# EAGLE board RedBoard-Panel (EAGLE 9.6.2), part 1 of 6
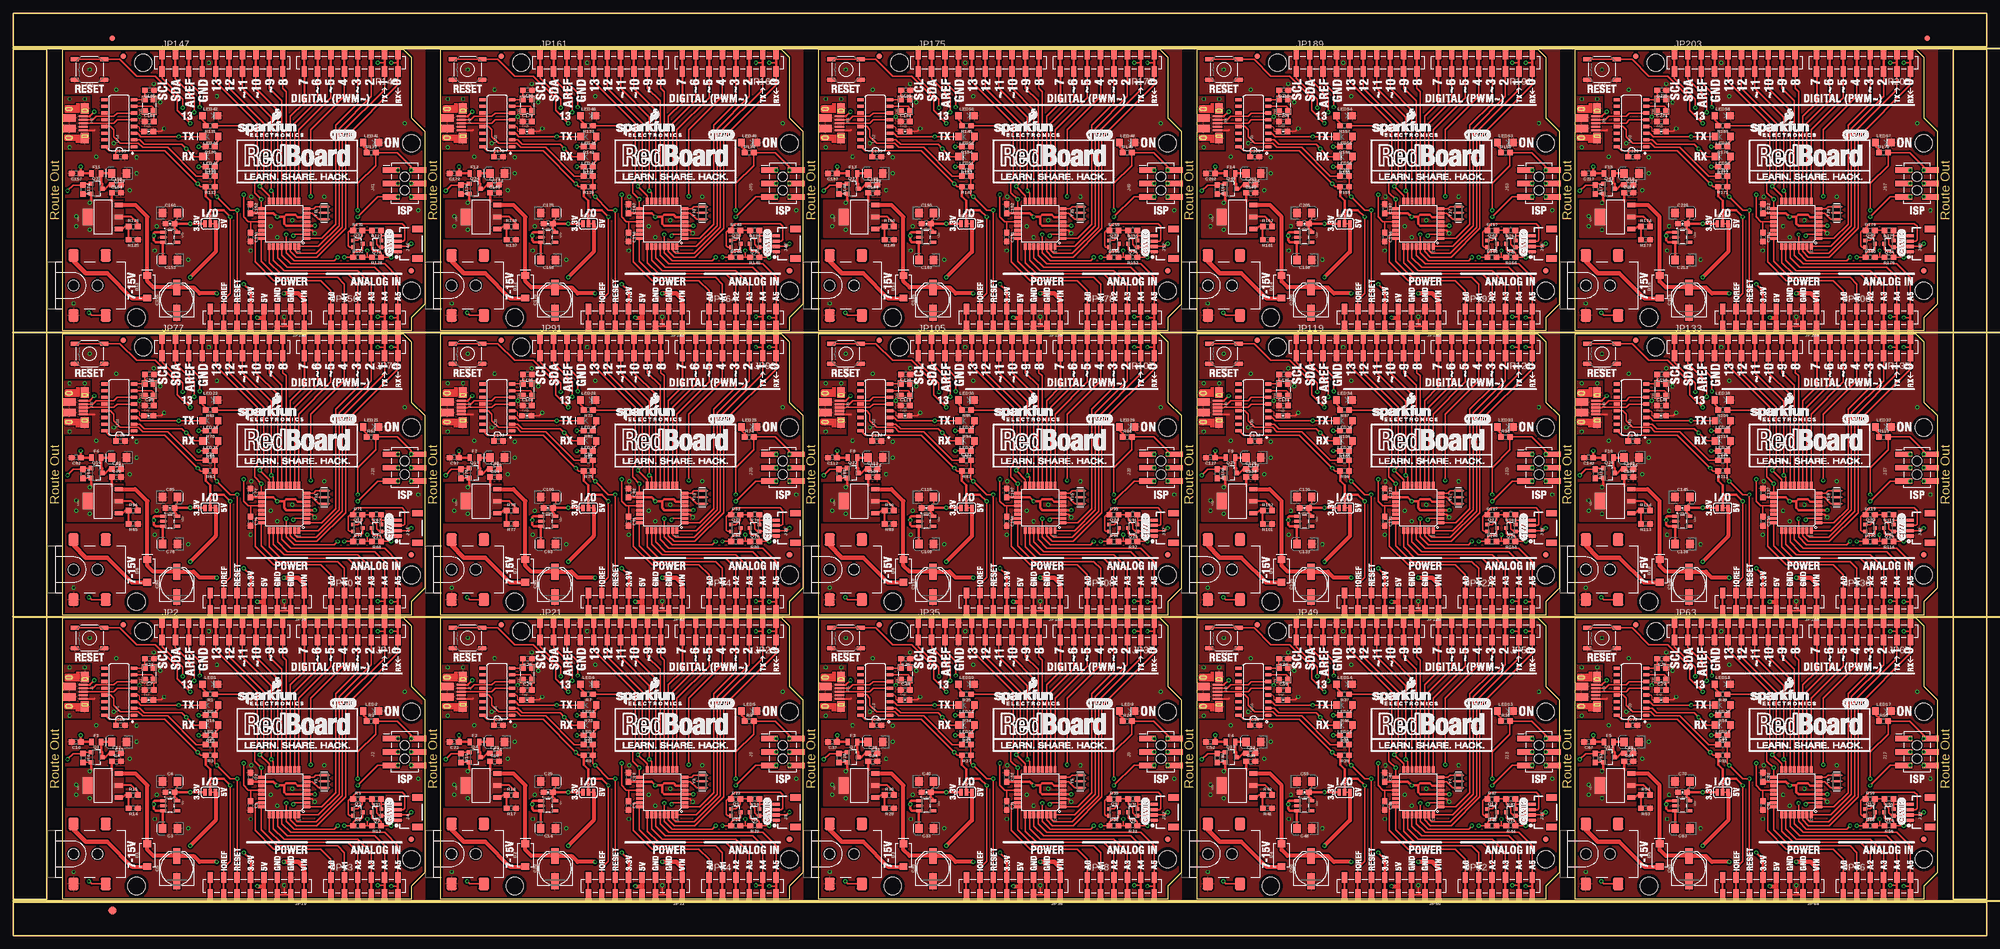
[diagram p0: board, top side]
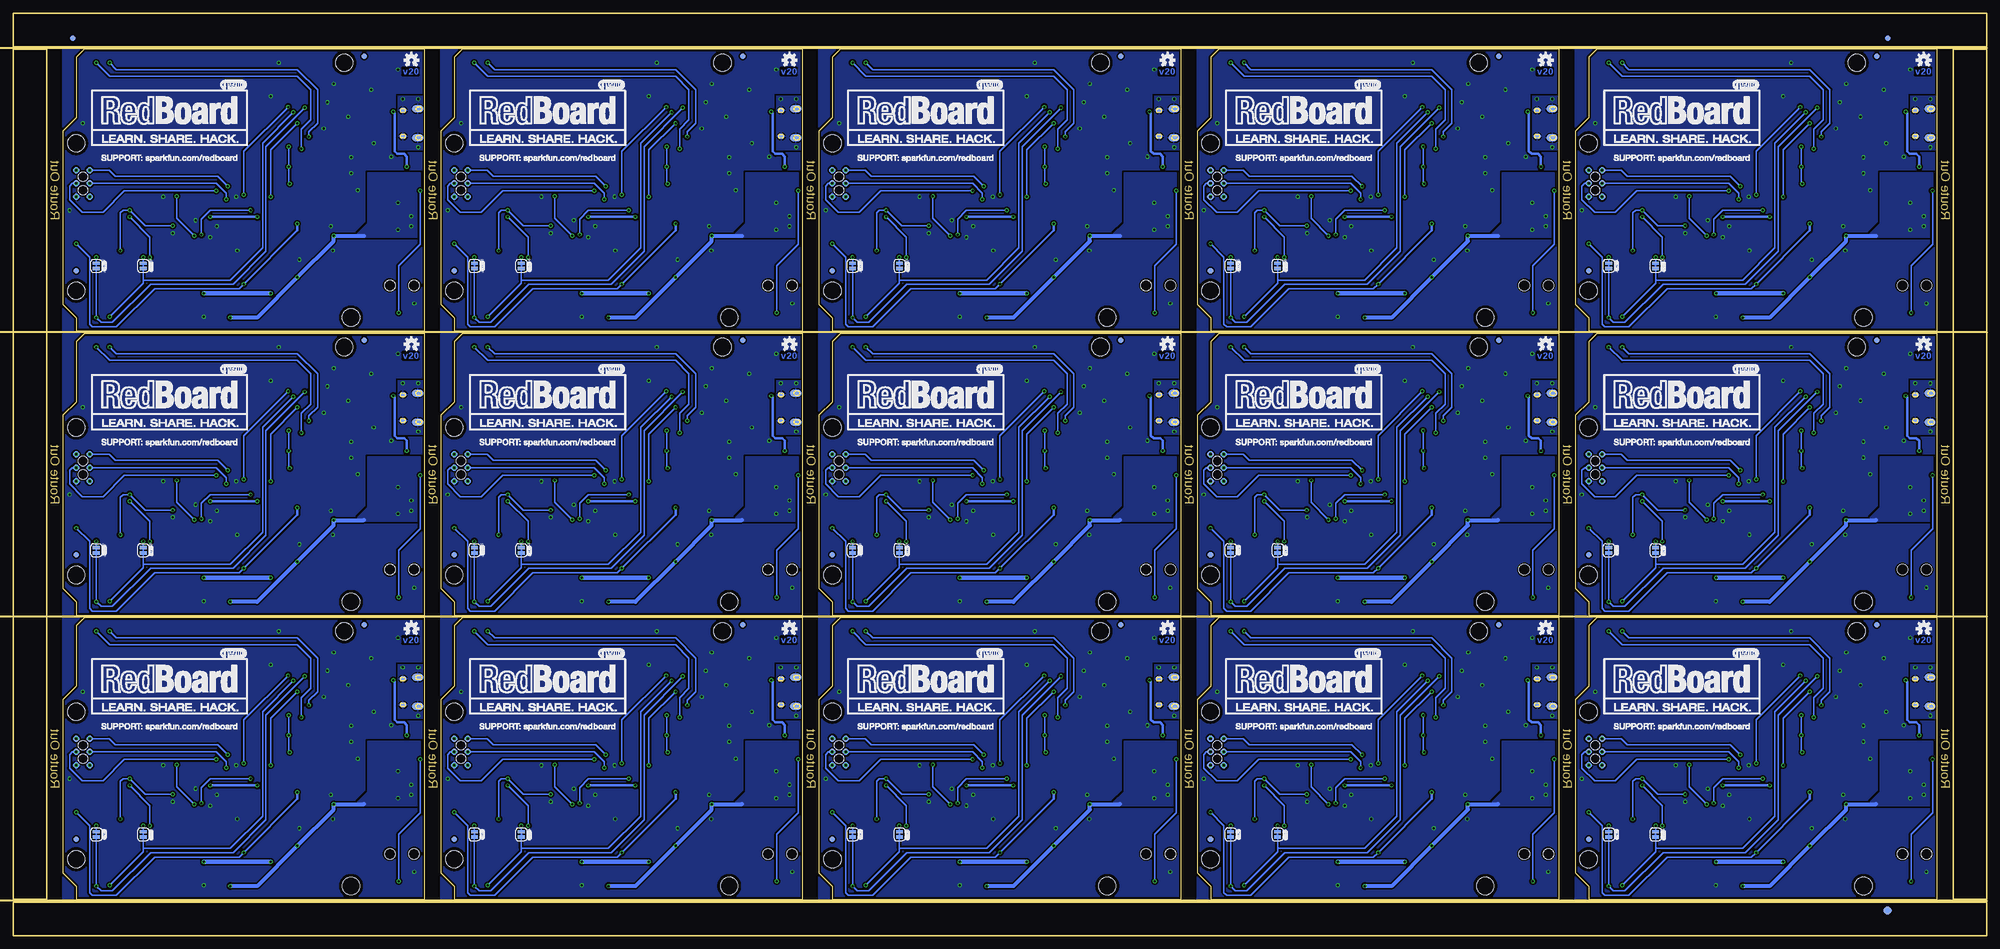
[diagram p1: board, bottom side, seen from below]

Size 373.89 x 174.75 mm. Coordinates in mm from the lower left corner, seen from the top.
Outline: 9.4,60.2 73.91,60.2 75.44,58.67 75.44,47.24 77.98,44.7 77.98,11.94 75.44,9.4 75.44,6.86 9.4,6.86 9.4,60.2
Outline: 81.03,60.2 145.54,60.2 147.07,58.67 147.07,47.24 149.61,44.7 149.61,11.94 147.07,9.4 147.07,6.86 81.03,6.86 81.03,60.2
Outline: 152.65,60.2 217.17,60.2 218.69,58.67 218.69,47.24 221.23,44.7 221.23,11.94 218.69,9.4 218.69,6.86 152.65,6.86 152.65,60.2
Outline: 224.28,60.2 288.8,60.2 290.32,58.67 290.32,47.24 292.86,44.7 292.86,11.94 290.32,9.4 290.32,6.86 224.28,6.86 224.28,60.2
Outline: 295.91,60.2 360.43,60.2 361.95,58.67 361.95,47.24 364.49,44.7 364.49,11.94 361.95,9.4 361.95,6.86 295.91,6.86 295.91,60.2
Outline: 9.4,114.05 73.91,114.05 75.44,112.52 75.44,101.09 77.98,98.55 77.98,65.79 75.44,63.25 75.44,60.71 9.4,60.71 9.4,114.05
Outline: 81.03,114.05 145.54,114.05 147.07,112.52 147.07,101.09 149.61,98.55 149.61,65.79 147.07,63.25 147.07,60.71 81.03,60.71 81.03,114.05
Outline: 152.65,114.05 217.17,114.05 218.69,112.52 218.69,101.09 221.23,98.55 221.23,65.79 218.69,63.25 218.69,60.71 152.65,60.71 152.65,114.05
Outline: 224.28,114.05 288.8,114.05 290.32,112.52 290.32,101.09 292.86,98.55 292.86,65.79 290.32,63.25 290.32,60.71 224.28,60.71 224.28,114.05
Outline: 295.91,114.05 360.43,114.05 361.95,112.52 361.95,101.09 364.49,98.55 364.49,65.79 361.95,63.25 361.95,60.71 295.91,60.71 295.91,114.05
Outline: 9.4,167.89 73.91,167.89 75.44,166.37 75.44,154.94 77.98,152.4 77.98,119.63 75.44,117.09 75.44,114.55 9.4,114.55 9.4,167.89
Outline: 81.03,167.89 145.54,167.89 147.07,166.37 147.07,154.94 149.61,152.4 149.61,119.63 147.07,117.09 147.07,114.55 81.03,114.55 81.03,167.89
Outline: 152.65,167.89 217.17,167.89 218.69,166.37 218.69,154.94 221.23,152.4 221.23,119.63 218.69,117.09 218.69,114.55 152.65,114.55 152.65,167.89
Outline: 224.28,167.89 288.8,167.89 290.32,166.37 290.32,154.94 292.86,152.4 292.86,119.63 290.32,117.09 290.32,114.55 224.28,114.55 224.28,167.89
Outline: 295.91,167.89 360.43,167.89 361.95,166.37 361.95,154.94 364.49,152.4 364.49,119.63 361.95,117.09 361.95,114.55 295.91,114.55 295.91,167.89
Outline: 0,6.35 373.89,6.35 373.89,0 0,0 0,6.35
Outline: 367.54,167.89 373.89,167.89 373.89,6.86 367.54,6.86 367.54,167.89
Outline: 0,174.75 373.89,174.75 373.89,168.4 0,168.4 0,174.75
Outline: 0,167.89 6.35,167.89 6.35,6.86 0,6.86 0,167.89
Copper layers (1*16): Top 0.035mm / dielectric 1.5mm / Bottom 0.035mm
Design rules "RedBoard": minimum track width 7mil, minimum drill 15mil, track to track 7mil, track to pad 7mil, pad to pad 7mil, via to via 7mil, smd to smd 7mil, copper to edge 7mil, drill to drill 7mil, minimum pad ring 7mil, minimum via ring 7mil, stop-mask expansion 4mil, vias tented up to drill 25mil, thermal gap 10mil
vRestrict: area 10,29.2 to 11.4,37.5; area 15.1,30 to 16.8,37.5; area 57.3,17.7 to 57.9,18.2; area 59.8,17.5 to 60.3,18.4; area 20.7,36.2 to 22.1,38.5; area 9.7,19.8 to 18.8,31.9; area 81.7,29.2 to 83.1,37.5; area 86.7,30 to 88.4,37.5; area 128.9,17.7 to 129.5,18.2; area 131.4,17.5 to 132,18.4; area 92.3,36.2 to 93.7,38.5; area 81.3,19.8 to 90.4,31.9; area 153.3,29.2 to 154.7,37.5; area 158.4,30 to 160,37.5; area 200.5,17.7 to 201.2,18.2; area 203.1,17.5 to 203.6,18.4; area 164,36.2 to 165.4,38.5; area 152.9,19.8 to 162.1,31.9; area 224.9,29.2 to 226.3,37.5; area 230,30 to 231.6,37.5; area 272.2,17.7 to 272.8,18.2; area 274.7,17.5 to 275.2,18.4; area 235.6,36.2 to 237,38.5; area 224.5,19.8 to 233.7,31.9; area 296.5,29.2 to 297.9,37.5; area 301.6,30 to 303.3,37.5; area 343.8,17.7 to 344.4,18.2; area 346.3,17.5 to 346.8,18.4; area 307.2,36.2 to 308.6,38.5; area 296.2,19.8 to 305.3,31.9; area 10,83.1 to 11.4,91.3; area 15.1,83.8 to 16.8,91.3; area 57.3,71.5 to 57.9,72; area 59.8,71.4 to 60.3,72.3; area 20.7,90 to 22.1,92.3; area 9.7,73.7 to 18.8,85.7; area 81.7,83.1 to 83.1,91.3; area 86.7,83.8 to 88.4,91.3; area 128.9,71.5 to 129.5,72; area 131.4,71.4 to 132,72.3; area 92.3,90 to 93.7,92.3; area 81.3,73.7 to 90.4,85.7; area 153.3,83.1 to 154.7,91.3; area 158.4,83.8 to 160,91.3; area 200.5,71.5 to 201.2,72; area 203.1,71.4 to 203.6,72.3; area 164,90 to 165.4,92.3; area 152.9,73.7 to 162.1,85.7; area 224.9,83.1 to 226.3,91.3; area 230,83.8 to 231.6,91.3; area 272.2,71.5 to 272.8,72; area 274.7,71.4 to 275.2,72.3; area 235.6,90 to 237,92.3; area 224.5,73.7 to 233.7,85.7; area 296.5,83.1 to 297.9,91.3; area 301.6,83.8 to 303.3,91.3; area 343.8,71.5 to 344.4,72; area 346.3,71.4 to 346.8,72.3; area 307.2,90 to 308.6,92.3; area 296.2,73.7 to 305.3,85.7; area 10,136.9 to 11.4,145.2; area 15.1,137.7 to 16.8,145.2; area 57.3,125.3 to 57.9,125.9; area 59.8,125.2 to 60.3,126.1; area 20.7,143.9 to 22.1,146.2; area 9.7,127.5 to 18.8,139.6; area 81.7,136.9 to 83.1,145.2; area 86.7,137.7 to 88.4,145.2; area 128.9,125.3 to 129.5,125.9; area 131.4,125.2 to 132,126.1; area 92.3,143.9 to 93.7,146.2; area 81.3,127.5 to 90.4,139.6; area 153.3,136.9 to 154.7,145.2; area 158.4,137.7 to 160,145.2; area 200.5,125.3 to 201.2,125.9; area 203.1,125.2 to 203.6,126.1; area 164,143.9 to 165.4,146.2; area 152.9,127.5 to 162.1,139.6; area 224.9,136.9 to 226.3,145.2; area 230,137.7 to 231.6,145.2; area 272.2,125.3 to 272.8,125.9; area 274.7,125.2 to 275.2,126.1; area 235.6,143.9 to 237,146.2; area 224.5,127.5 to 233.7,139.6; area 296.5,136.9 to 297.9,145.2; area 301.6,137.7 to 303.3,145.2; area 343.8,125.3 to 344.4,125.9; area 346.3,125.2 to 346.8,126.1; area 307.2,143.9 to 308.6,146.2; area 296.2,127.5 to 305.3,139.6
Milling: 4 lines

## Footprints (pad centres in the part's own frame; a part is rotated, then mirrored left to right if it is on the bottom)
0603 = smd 1.1 x 1: 1 -0.85,0; 2 0.85,0
EIA3216 = smd 1.4 x 1.6: + 1.4,0; - -1.4,0
PANASONIC_D = smd 3 x 1.4: + 2.4,0; - -2.4,0
0603-CAP = smd 1.1 x 1: 1 -0.85,0; 2 0.85,0
SMA-DIODE = smd 1.27 x 1.47: A -2.15,0; C 2.15,0
FIDUCIAL-1X2 = smd 1 x 1: 1 0,0
FIDUCIAL-1.5X3 = smd 1.5 x 1.5: 1 0,0
0805 = smd 0.8 x 1.2: 1 -0.9,0; 2 0.9,0
SMT-JUMPER_3_1-NC_TRACE_SILK = smd 0.635 x 1.27: 1 -1.016,0; 2 0,0; 3 1.016,0
USB-MICROB-PTH-MILL = smd 0.4 x 1.75: D+ 0.031,1.331; D- -0.619,1.331; GND 1.331,1.331; ID 0.681,1.331; VBUS -1.269,1.331 | smd 2 x 1.46: SHIELD -2.794,1.606; SHIELD2 2.831,1.606 | smd 1.425 x 2.5: SHIELD3 -0.979,-1.349; SHIELD4 0.996,-1.352 | smd 1.4 x 2.1 bottom: SHIELD5 -2.7,-1.2; SHIELD7 2.8,-1.2 | smd 1.1 x 1.5: SHIELD6 2.8,-1.4; SHIELD8 -2.7,-1.4 | smd 1 x 1.3 bottom: SHIELD9 -2.4,1.6; SHIELD10 2.5,1.6
2X3_SMT_POSTS = smd 1 x 3.17: 1 -2.54,-2.54; 2 -2.54,2.54; 3 0,-2.54; 4 0,2.54; 5 2.54,-2.54; 6 2.54,2.54 | hole 1.8: -1.27,0; 1.27,0
POWER_JACK_SMD_OVERPASTE_SUPER_BOMB_DIGITY = smd 2 x 2.4: GND 0,-5.7; P$4 6.1,-5.7; VIN0 0,5.7; VIN1 6.1,5.7 | hole 2.032: 0,0; 4.572,0
1X04_1MM_RA = smd 0.6 x 1.35: 1 -1.5,0; 2 -0.5,0; 3 0.5,0; 4 1.5,0 | smd 1.2 x 2: NC1 2.8,-3.675; NC2 -2.8,-3.675
STAND-OFF = hole 3.302: 0,0
1X10_SMD_COMBINED = smd 1 x 2: 1A 0,1.65; 1B 0,-1.65; 2A 2.54,1.65; 2B 2.54,-1.65; 3A 5.08,1.65; 3B 5.08,-1.65; 4A 7.62,1.65; 4B 7.62,-1.65; 5A 10.16,1.65; 5B 10.16,-1.65; 6A 12.7,1.65; 6B 12.7,-1.65; 7A 15.24,1.65; 7B 15.24,-1.65; 8A 17.78,1.65; 8B 17.78,-1.65; 9A 20.32,1.65; 9B 20.32,-1.65; 10A 22.86,1.65; 10B 22.86,-1.65
1X08_SMD_COMBINED = smd 1 x 2: 1 0,1.65; 1@2 0,-1.65; 2 2.54,-1.65; 2@2 2.54,1.65; 3 5.08,1.65; 3@2 5.08,-1.65; 4 7.62,-1.65; 4@2 7.62,1.65; 5 10.16,1.65; 5@2 10.16,-1.65; 6 12.7,-1.65; 6@2 12.7,1.65; 7 15.24,1.65; 7@2 15.24,-1.65; 8 17.78,-1.65; 8@2 17.78,1.65
1X08_SMD_COMBINED@1 = smd 1 x 2: 1A 0,1.65; 1B 0,-1.65; 2A 2.54,-1.65; 2B 2.54,1.65; 3A 5.08,1.65; 3B 5.08,-1.65; 4A 7.62,-1.65; 4B 7.62,1.65; 5A 10.16,1.65; 5B 10.16,-1.65; 6A 12.7,-1.65; 6B 12.7,1.65; 7A 15.24,1.65; 7B 15.24,-1.65; 8A 17.78,-1.65; 8B 17.78,1.65
SMT-JUMPER_2_NC_TRACE_SILK = smd 0.635 x 1.27: 1 -0.508,0; 2 0.508,0
1X06_SMD_STRAIGHT_COMBO = smd 1 x 2: 1A 0,-1.65; 1B 0,1.65; 2A 2.54,1.65; 2B 2.54,-1.65; 3A 5.08,-1.65; 3B 5.08,1.65; 4A 7.62,1.65; 4B 7.62,-1.65; 5A 10.16,-1.65; 5B 10.16,1.65; 6A 12.7,1.65; 6B 12.7,-1.65
LED-1206-HIDDENSILK = smd 1.2 x 1.4: A -1.5,0; C 1.5,0
LED-1206 = smd 1.2 x 1.4: A -1.5,0; C 1.5,0
SOT23-3 = smd 0.8 x 0.9: 1 -0.95,-1; 2 0.95,-1; 3 0,1.1
SOT323 = smd 0.7 x 0.7: 1 -0.65,-0.925; 2 0.65,-0.925; 3 0,0.925
TACTILE_SWITCH_SMD_5.2MM = smd 1.524 x 0.762: 1 -2.794,1.905; 2 2.794,1.905; 3 -2.794,-1.905; 4 2.794,-1.905
PAD.03X.05 = smd 1.27 x 1.27: P$1 0,0
SO016 = smd 0.6 x 1.2: 1 -4.445,-2.8; 2 -3.175,-2.8; 3 -1.905,-2.8; 4 -0.635,-2.8; 5 0.635,-2.8; 6 1.905,-2.8; 7 3.175,-2.8; 8 4.445,-2.8; 9 4.445,2.8; 10 3.175,2.8; 11 1.905,2.8; 12 0.635,2.8; 13 -0.635,2.8; 14 -1.905,2.8; 15 -3.175,2.8; 16 -4.445,2.8
SOT223-ALT1 = smd 0.813 x 1.524: 1 -2.271,-3.02; 2 0,-3.02; 3 2.288,-3.02 | smd 3.124 x 1.905: 4 0,2.921
SOT23-5 = smd 0.55 x 1.2: 1 -0.95,-1.3; 2 0,-1.3; 3 0.95,-1.3; 4 0.95,1.3; 5 -0.95,1.3
TQFP32-08 = smd 1.27 x 0.559: 1 -4.293,2.8; 2 -4.293,2; 3 -4.293,1.2; 4 -4.293,0.4; 5 -4.293,-0.4; 6 -4.293,-1.2; 7 -4.293,-2; 8 -4.293,-2.8; 17 4.293,-2.8; 18 4.293,-2; 19 4.293,-1.2; 20 4.293,-0.4; 21 4.293,0.4; 22 4.293,1.2; 23 4.293,2; 24 4.293,2.8 | smd 0.559 x 1.27: 9 -2.8,-4.293; 10 -2,-4.293; 11 -1.2,-4.293; 12 -0.4,-4.293; 13 0.4,-4.293; 14 1.2,-4.293; 15 2,-4.293; 16 2.8,-4.293; 25 2.8,4.293; 26 2,4.293; 27 1.2,4.293; 28 0.4,4.293; 29 -0.4,4.293; 30 -1.2,4.293; 31 -2,4.293; 32 -2.8,4.293
RESONATOR-SMD-3.2X1.3 = smd 0.45 x 1.905: 1 -1.2,0; 2 0,0; 3 1.2,0
CRYSTAL-SMD-3.2X2.5 = smd 1.2 x 1.1: 1 -1.175,-0.875; 2 1.175,-0.875; 3 1.175,0.875; 4 -1.175,0.875

## Placement (x,y rotation side)
C1  0.1uF  [0603]  44.96,24.64 270 top
C2  0.1uF  [0603]  44.96,30.03 270 top
C3  10uF  [EIA3216]  29.72,20.32 180 top
C4  0.1uF  [0603]  19.56,33.02 0 top
C5  47uF  [PANASONIC_D]  30.99,12.7 90 top
C6  10uF  [EIA3216]  29.72,29.21 0 top
C7  10pF  [0603]  25.76,46.56 0 top
C8  0.1uF  [0603]  37.34,36.2 0 top
C9  0.1uF  [0603]  116.59,24.64 270 top
C10  0.1uF  [0603]  11.94,36.7 180 top
C11  10pF  [0603]  25.81,52.45 180 top
C12  0.1uF  [0603]  19.56,34.54 0 top
C13  0.1uF  [0603]  116.59,30.03 270 top
C14  10uF  [EIA3216]  101.35,20.32 180 top
C15  10uF  [EIA3216]  20.07,36.7 180 top
C16  1.0uF  [0603-CAP]  29.72,27.18 180 top
C17  10nF  [0603-CAP]  25.68,44.65 0 top
C18  0.1uF  [0603]  20.32,39.88 0 top
C19  0.1uF  [0603]  91.19,33.02 0 top
C20  47uF  [PANASONIC_D]  102.62,12.7 90 top
C21  0.1uF  [0603]  108.97,36.2 0 top
C22  0.1uF  [0603]  83.57,36.7 180 top
C23  0.1uF  [0603]  91.19,34.54 0 top
C24  10uF  [EIA3216]  91.69,36.7 180 top
C25  10uF  [EIA3216]  101.35,29.21 0 top
C26  1.0uF  [0603-CAP]  101.35,27.18 180 top
C27  10nF  [0603-CAP]  97.31,44.65 0 top
C28  0.1uF  [0603]  91.95,39.88 0 top
C29  10pF  [0603]  97.38,46.56 0 top
C30  10pF  [0603]  97.43,52.45 180 top
C31  0.1uF  [0603]  188.21,24.64 270 top
C32  0.1uF  [0603]  188.21,30.03 270 top
C33  10uF  [EIA3216]  172.97,20.32 180 top
C34  0.1uF  [0603]  162.81,33.02 0 top
C35  47uF  [PANASONIC_D]  174.24,12.7 90 top
C36  0.1uF  [0603]  180.59,36.2 0 top
C37  0.1uF  [0603]  155.19,36.7 180 top
C38  0.1uF  [0603]  162.81,34.54 0 top
C39  10uF  [EIA3216]  163.32,36.7 180 top
C40  10uF  [EIA3216]  172.97,29.21 0 top
C41  1.0uF  [0603-CAP]  172.97,27.18 180 top
C42  10nF  [0603-CAP]  168.94,44.65 0 top
C43  0.1uF  [0603]  163.58,39.88 0 top
C44  10pF  [0603]  169.01,46.56 0 top
C45  10pF  [0603]  169.06,52.45 180 top
C46  0.1uF  [0603]  259.84,24.64 270 top
C47  0.1uF  [0603]  259.84,30.03 270 top
C48  10uF  [EIA3216]  244.6,20.32 180 top
C49  0.1uF  [0603]  234.44,33.02 0 top
C50  47uF  [PANASONIC_D]  245.87,12.7 90 top
C51  0.1uF  [0603]  252.22,36.2 0 top
C52  0.1uF  [0603]  226.82,36.7 180 top
C53  0.1uF  [0603]  234.44,34.54 0 top
C54  10uF  [EIA3216]  234.95,36.7 180 top
C55  10uF  [EIA3216]  244.6,29.21 0 top
C56  1.0uF  [0603-CAP]  244.6,27.18 180 top
C57  10nF  [0603-CAP]  240.56,44.65 0 top
C58  0.1uF  [0603]  235.2,39.88 0 top
C59  10pF  [0603]  240.64,46.56 0 top
C60  10pF  [0603]  240.69,52.45 180 top
C61  0.1uF  [0603]  331.47,24.64 270 top
C62  0.1uF  [0603]  331.47,30.03 270 top
C63  10uF  [EIA3216]  316.23,20.32 180 top
C64  0.1uF  [0603]  306.07,33.02 0 top
C65  47uF  [PANASONIC_D]  317.5,12.7 90 top
C66  0.1uF  [0603]  323.85,36.2 0 top
C67  0.1uF  [0603]  298.45,36.7 180 top
C68  0.1uF  [0603]  306.07,34.54 0 top
C69  10uF  [EIA3216]  306.58,36.7 180 top
C70  10uF  [EIA3216]  316.23,29.21 0 top
C71  1.0uF  [0603-CAP]  316.23,27.18 180 top
C72  10nF  [0603-CAP]  312.19,44.65 0 top
C73  0.1uF  [0603]  306.83,39.88 0 top
C74  10pF  [0603]  312.27,46.56 0 top
C75  10pF  [0603]  312.32,52.45 180 top
C76  0.1uF  [0603]  44.96,78.49 270 top
C77  0.1uF  [0603]  44.96,83.88 270 top
C78  10uF  [EIA3216]  29.72,74.17 180 top
C79  0.1uF  [0603]  19.56,86.87 0 top
C80  47uF  [PANASONIC_D]  30.99,66.55 90 top
C81  0.1uF  [0603]  37.34,90.04 0 top
C82  0.1uF  [0603]  11.94,90.55 180 top
C83  0.1uF  [0603]  19.56,88.39 0 top
C84  10uF  [EIA3216]  20.07,90.55 180 top
C85  10uF  [EIA3216]  29.72,83.06 0 top
C86  1.0uF  [0603-CAP]  29.72,81.03 180 top
C87  10nF  [0603-CAP]  25.68,98.5 0 top
C88  0.1uF  [0603]  20.32,93.73 0 top
C89  10pF  [0603]  25.76,100.41 0 top
C90  10pF  [0603]  25.81,106.3 180 top
C91  0.1uF  [0603]  116.59,78.49 270 top
C92  0.1uF  [0603]  116.59,83.88 270 top
C93  10uF  [EIA3216]  101.35,74.17 180 top
C94  0.1uF  [0603]  91.19,86.87 0 top
C95  47uF  [PANASONIC_D]  102.62,66.55 90 top
C96  0.1uF  [0603]  108.97,90.04 0 top
C97  0.1uF  [0603]  83.57,90.55 180 top
C98  0.1uF  [0603]  91.19,88.39 0 top
C99  10uF  [EIA3216]  91.69,90.55 180 top
C100  10uF  [EIA3216]  101.35,83.06 0 top
C101  1.0uF  [0603-CAP]  101.35,81.03 180 top
C102  10nF  [0603-CAP]  97.31,98.5 0 top
C103  0.1uF  [0603]  91.95,93.73 0 top
C104  10pF  [0603]  97.38,100.41 0 top
C105  10pF  [0603]  97.43,106.3 180 top
C106  0.1uF  [0603]  188.21,78.49 270 top
C107  0.1uF  [0603]  188.21,83.88 270 top
C108  10uF  [EIA3216]  172.97,74.17 180 top
C109  0.1uF  [0603]  162.81,86.87 0 top
C110  47uF  [PANASONIC_D]  174.24,66.55 90 top
C111  0.1uF  [0603]  180.59,90.04 0 top
C112  0.1uF  [0603]  155.19,90.55 180 top
C113  0.1uF  [0603]  162.81,88.39 0 top
C114  10uF  [EIA3216]  163.32,90.55 180 top
C115  10uF  [EIA3216]  172.97,83.06 0 top
C116  1.0uF  [0603-CAP]  172.97,81.03 180 top
C117  10nF  [0603-CAP]  168.94,98.5 0 top
C118  0.1uF  [0603]  163.58,93.73 0 top
C119  10pF  [0603]  169.01,100.41 0 top
C120  10pF  [0603]  169.06,106.3 180 top
C121  0.1uF  [0603]  259.84,78.49 270 top
C122  0.1uF  [0603]  259.84,83.88 270 top
C123  10uF  [EIA3216]  244.6,74.17 180 top
C124  0.1uF  [0603]  234.44,86.87 0 top
C125  47uF  [PANASONIC_D]  245.87,66.55 90 top
C126  0.1uF  [0603]  252.22,90.04 0 top
C127  0.1uF  [0603]  226.82,90.55 180 top
C128  0.1uF  [0603]  234.44,88.39 0 top
C129  10uF  [EIA3216]  234.95,90.55 180 top
C130  10uF  [EIA3216]  244.6,83.06 0 top
C131  1.0uF  [0603-CAP]  244.6,81.03 180 top
C132  10nF  [0603-CAP]  240.56,98.5 0 top
C133  0.1uF  [0603]  235.2,93.73 0 top
C134  10pF  [0603]  240.64,100.41 0 top
C135  10pF  [0603]  240.69,106.3 180 top
C136  0.1uF  [0603]  331.47,78.49 270 top
C137  0.1uF  [0603]  331.47,83.88 270 top
C138  10uF  [EIA3216]  316.23,74.17 180 top
C139  0.1uF  [0603]  306.07,86.87 0 top
C140  47uF  [PANASONIC_D]  317.5,66.55 90 top
C141  0.1uF  [0603]  323.85,90.04 0 top
C142  0.1uF  [0603]  298.45,90.55 180 top
C143  0.1uF  [0603]  306.07,88.39 0 top
C144  10uF  [EIA3216]  306.58,90.55 180 top
C145  10uF  [EIA3216]  316.23,83.06 0 top
C146  1.0uF  [0603-CAP]  316.23,81.03 180 top
C147  10nF  [0603-CAP]  312.19,98.5 0 top
C148  0.1uF  [0603]  306.83,93.73 0 top
C149  10pF  [0603]  312.27,100.41 0 top
C150  10pF  [0603]  312.32,106.3 180 top
C151  0.1uF  [0603]  44.96,132.33 270 top
C152  0.1uF  [0603]  44.96,137.72 270 top
C153  10uF  [EIA3216]  29.72,128.02 180 top
C154  0.1uF  [0603]  19.56,140.72 0 top
C155  47uF  [PANASONIC_D]  30.99,120.4 90 top
C156  0.1uF  [0603]  37.34,143.89 0 top
C157  0.1uF  [0603]  11.94,144.4 180 top
C158  0.1uF  [0603]  19.56,142.24 0 top
C159  10uF  [EIA3216]  20.07,144.4 180 top
C160  10uF  [EIA3216]  29.72,136.91 0 top
C161  1.0uF  [0603-CAP]  29.72,134.87 180 top
C162  10nF  [0603-CAP]  25.68,152.35 0 top
C163  0.1uF  [0603]  20.32,147.57 0 top
C164  10pF  [0603]  25.76,154.25 0 top
C165  10pF  [0603]  25.81,160.15 180 top
C166  0.1uF  [0603]  116.59,132.33 270 top
C167  0.1uF  [0603]  116.59,137.72 270 top
C168  10uF  [EIA3216]  101.35,128.02 180 top
C169  0.1uF  [0603]  91.19,140.72 0 top
C170  47uF  [PANASONIC_D]  102.62,120.4 90 top
C171  0.1uF  [0603]  108.97,143.89 0 top
C172  0.1uF  [0603]  83.57,144.4 180 top
C173  0.1uF  [0603]  91.19,142.24 0 top
C174  10uF  [EIA3216]  91.69,144.4 180 top
C175  10uF  [EIA3216]  101.35,136.91 0 top
C176  1.0uF  [0603-CAP]  101.35,134.87 180 top
C177  10nF  [0603-CAP]  97.31,152.35 0 top
C178  0.1uF  [0603]  91.95,147.57 0 top
C179  10pF  [0603]  97.38,154.25 0 top
C180  10pF  [0603]  97.43,160.15 180 top
C181  0.1uF  [0603]  188.21,132.33 270 top
C182  0.1uF  [0603]  188.21,137.72 270 top
C183  10uF  [EIA3216]  172.97,128.02 180 top
C184  0.1uF  [0603]  162.81,140.72 0 top
C185  47uF  [PANASONIC_D]  174.24,120.4 90 top
C186  0.1uF  [0603]  180.59,143.89 0 top
C187  0.1uF  [0603]  155.19,144.4 180 top
C188  0.1uF  [0603]  162.81,142.24 0 top
C189  10uF  [EIA3216]  163.32,144.4 180 top
C190  10uF  [EIA3216]  172.97,136.91 0 top
C191  1.0uF  [0603-CAP]  172.97,134.87 180 top
C192  10nF  [0603-CAP]  168.94,152.35 0 top
C193  0.1uF  [0603]  163.58,147.57 0 top
C194  10pF  [0603]  169.01,154.25 0 top
C195  10pF  [0603]  169.06,160.15 180 top
C196  0.1uF  [0603]  259.84,132.33 270 top
C197  0.1uF  [0603]  259.84,137.72 270 top
C198  10uF  [EIA3216]  244.6,128.02 180 top
C199  0.1uF  [0603]  234.44,140.72 0 top
C200  47uF  [PANASONIC_D]  245.87,120.4 90 top
C201  0.1uF  [0603]  252.22,143.89 0 top
C202  0.1uF  [0603]  226.82,144.4 180 top
C203  0.1uF  [0603]  234.44,142.24 0 top
C204  10uF  [EIA3216]  234.95,144.4 180 top
C205  10uF  [EIA3216]  244.6,136.91 0 top
C206  1.0uF  [0603-CAP]  244.6,134.87 180 top
C207  10nF  [0603-CAP]  240.56,152.35 0 top
C208  0.1uF  [0603]  235.2,147.57 0 top
C209  10pF  [0603]  240.64,154.25 0 top
C210  10pF  [0603]  240.69,160.15 180 top
C211  0.1uF  [0603]  331.47,132.33 270 top
C212  0.1uF  [0603]  331.47,137.72 270 top
C213  10uF  [EIA3216]  316.23,128.02 180 top
C214  0.1uF  [0603]  306.07,140.72 0 top
C215  47uF  [PANASONIC_D]  317.5,120.4 90 top
C216  0.1uF  [0603]  323.85,143.89 0 top
C217  0.1uF  [0603]  298.45,144.4 180 top
C218  0.1uF  [0603]  306.07,142.24 0 top
C219  10uF  [EIA3216]  306.58,144.4 180 top
C220  10uF  [EIA3216]  316.23,136.91 0 top
C221  1.0uF  [0603-CAP]  316.23,134.87 180 top
C222  10nF  [0603-CAP]  312.19,152.35 0 top
C223  0.1uF  [0603]  306.83,147.57 0 top
C224  10pF  [0603]  312.27,154.25 0 top
C225  10pF  [0603]  312.32,160.15 180 top
D1  1A/40V/500mV  [SMA-DIODE]  25.4,15.24 90 top
D2  1A/40V/500mV  [SMA-DIODE]  97.03,15.24 90 top
D3  1A/40V/500mV  [SMA-DIODE]  168.66,15.24 90 top
D4  1A/40V/500mV  [SMA-DIODE]  240.28,15.24 90 top
D5  1A/40V/500mV  [SMA-DIODE]  311.91,15.24 90 top
D6  1A/40V/500mV  [SMA-DIODE]  25.4,69.09 90 top
D7  1A/40V/500mV  [SMA-DIODE]  97.03,69.09 90 top
D8  1A/40V/500mV  [SMA-DIODE]  168.66,69.09 90 top
D9  1A/40V/500mV  [SMA-DIODE]  240.28,69.09 90 top
D10  1A/40V/500mV  [SMA-DIODE]  311.91,69.09 90 top
D11  1A/40V/500mV  [SMA-DIODE]  25.4,122.94 90 top
D12  1A/40V/500mV  [SMA-DIODE]  97.03,122.94 90 top
D13  1A/40V/500mV  [SMA-DIODE]  168.66,122.94 90 top
D14  1A/40V/500mV  [SMA-DIODE]  240.28,122.94 90 top
D15  1A/40V/500mV  [SMA-DIODE]  311.91,122.94 90 top
E$1  [FIDUCIAL-1X2]  18.8,169.99 0 top
E$2  [FIDUCIAL-1X2]  18.8,169.99 0 bottom
E$3  [FIDUCIAL-1X2]  362.65,169.99 0 top
E$4  [FIDUCIAL-1X2]  362.65,169.99 0 bottom
E$5  [FIDUCIAL-1.5X3]  18.8,4.76 0 top
E$6  [FIDUCIAL-1.5X3]  18.8,4.76 0 bottom
F1  PPTC_6V500MA  [0805]  15.75,36.7 0 top
F2  PPTC_6V500MA  [0805]  87.38,36.7 0 top
F3  PPTC_6V500MA  [0805]  159,36.7 0 top
F4  PPTC_6V500MA  [0805]  230.63,36.7 0 top
F5  PPTC_6V500MA  [0805]  302.26,36.7 0 top
F6  PPTC_6V500MA  [0805]  15.75,90.55 0 top
F7  PPTC_6V500MA  [0805]  87.38,90.55 0 top
F8  PPTC_6V500MA  [0805]  159,90.55 0 top
F9  PPTC_6V500MA  [0805]  230.63,90.55 0 top
F10  PPTC_6V500MA  [0805]  302.26,90.55 0 top
F11  PPTC_6V500MA  [0805]  15.75,144.4 0 top
F12  PPTC_6V500MA  [0805]  87.38,144.4 0 top
F13  PPTC_6V500MA  [0805]  159,144.4 0 top
F14  PPTC_6V500MA  [0805]  230.63,144.4 0 top
F15  PPTC_6V500MA  [0805]  302.26,144.4 0 top
FRAME1  FRAME-LETTER  [CREATIVE_COMMONS]  82.04,-9.91 0 top  (outside the outline)
FRAME2  FRAME-LETTER  [CREATIVE_COMMONS]  10.41,-9.91 0 top  (outside the outline)
FRAME3  FRAME-LETTER  [CREATIVE_COMMONS]  153.67,-9.91 0 top  (outside the outline)
FRAME4  FRAME-LETTER  [CREATIVE_COMMONS]  225.3,-9.91 0 top  (outside the outline)
FRAME5  FRAME-LETTER  [CREATIVE_COMMONS]  296.93,-9.91 0 top  (outside the outline)
FRAME6  FRAME-LETTER  [CREATIVE_COMMONS]  10.41,43.94 0 top
FRAME7  FRAME-LETTER  [CREATIVE_COMMONS]  82.04,43.94 0 top
FRAME8  FRAME-LETTER  [CREATIVE_COMMONS]  153.67,43.94 0 top
FRAME9  FRAME-LETTER  [CREATIVE_COMMONS]  225.3,43.94 0 top
FRAME10  FRAME-LETTER  [CREATIVE_COMMONS]  296.93,43.94 0 top
FRAME11  FRAME-LETTER  [CREATIVE_COMMONS]  10.41,97.79 0 top
FRAME12  FRAME-LETTER  [CREATIVE_COMMONS]  82.04,97.79 0 top
FRAME13  FRAME-LETTER  [CREATIVE_COMMONS]  153.67,97.79 0 top
FRAME14  FRAME-LETTER  [CREATIVE_COMMONS]  225.3,97.79 0 top
FRAME15  FRAME-LETTER  [CREATIVE_COMMONS]  296.93,97.79 0 top
I/O  [SMT-JUMPER_3_1-NC_TRACE_SILK]  37.34,27.18 0 top
I/O1  [SMT-JUMPER_3_1-NC_TRACE_SILK]  108.97,27.18 0 top
I/O2  [SMT-JUMPER_3_1-NC_TRACE_SILK]  180.59,27.18 0 top
I/O3  [SMT-JUMPER_3_1-NC_TRACE_SILK]  252.22,27.18 0 top
I/O4  [SMT-JUMPER_3_1-NC_TRACE_SILK]  323.85,27.18 0 top
I/O5  [SMT-JUMPER_3_1-NC_TRACE_SILK]  37.34,81.03 0 top
I/O6  [SMT-JUMPER_3_1-NC_TRACE_SILK]  108.97,81.03 0 top
I/O7  [SMT-JUMPER_3_1-NC_TRACE_SILK]  180.59,81.03 0 top
I/O8  [SMT-JUMPER_3_1-NC_TRACE_SILK]  252.22,81.03 0 top
I/O9  [SMT-JUMPER_3_1-NC_TRACE_SILK]  323.85,81.03 0 top
I/O10  [SMT-JUMPER_3_1-NC_TRACE_SILK]  37.34,134.87 0 top
I/O11  [SMT-JUMPER_3_1-NC_TRACE_SILK]  108.97,134.87 0 top
I/O12  [SMT-JUMPER_3_1-NC_TRACE_SILK]  180.59,134.87 0 top
I/O13  [SMT-JUMPER_3_1-NC_TRACE_SILK]  252.22,134.87 0 top
I/O14  [SMT-JUMPER_3_1-NC_TRACE_SILK]  323.85,134.87 0 top
J1  AMP FCI 10103594-0001LF  [USB-MICROB-PTH-MILL]  11.94,46.23 270 top
J2  ISP  [2X3_SMT_POSTS]  74.17,34.8 270 top
J3  POWER_JACKSUPER_BOMB_DIGITY  [POWER_JACK_SMD_OVERPASTE_SUPER_BOMB_DIGITY]  11.43,15.49 0 top
J4  [1X04_1MM_RA]  72.9,23.37 90 top
J5  ISP  [2X3_SMT_POSTS]  145.8,34.8 270 top
J6  POWER_JACKSUPER_BOMB_DIGITY  [POWER_JACK_SMD_OVERPASTE_SUPER_BOMB_DIGITY]  83.06,15.49 0 top
J7  AMP FCI 10103594-0001LF  [USB-MICROB-PTH-MILL]  83.57,46.23 270 top
J8  [1X04_1MM_RA]  144.53,23.37 90 top
J9  ISP  [2X3_SMT_POSTS]  217.42,34.8 270 top
J10  POWER_JACKSUPER_BOMB_DIGITY  [POWER_JACK_SMD_OVERPASTE_SUPER_BOMB_DIGITY]  154.69,15.49 0 top
J11  AMP FCI 10103594-0001LF  [USB-MICROB-PTH-MILL]  155.19,46.23 270 top
J12  [1X04_1MM_RA]  216.15,23.37 90 top
J13  ISP  [2X3_SMT_POSTS]  289.05,34.8 270 top
J14  POWER_JACKSUPER_BOMB_DIGITY  [POWER_JACK_SMD_OVERPASTE_SUPER_BOMB_DIGITY]  226.31,15.49 0 top
J15  AMP FCI 10103594-0001LF  [USB-MICROB-PTH-MILL]  226.82,46.23 270 top
J16  [1X04_1MM_RA]  287.78,23.37 90 top
J17  ISP  [2X3_SMT_POSTS]  360.68,34.8 270 top
J18  POWER_JACKSUPER_BOMB_DIGITY  [POWER_JACK_SMD_OVERPASTE_SUPER_BOMB_DIGITY]  297.94,15.49 0 top
J19  AMP FCI 10103594-0001LF  [USB-MICROB-PTH-MILL]  298.45,46.23 270 top
J20  [1X04_1MM_RA]  359.41,23.37 90 top
J21  ISP  [2X3_SMT_POSTS]  74.17,88.65 270 top
J22  POWER_JACKSUPER_BOMB_DIGITY  [POWER_JACK_SMD_OVERPASTE_SUPER_BOMB_DIGITY]  11.43,69.34 0 top
J23  AMP FCI 10103594-0001LF  [USB-MICROB-PTH-MILL]  11.94,100.08 270 top
J24  [1X04_1MM_RA]  72.9,77.22 90 top
J25  ISP  [2X3_SMT_POSTS]  145.8,88.65 270 top
J26  POWER_JACKSUPER_BOMB_DIGITY  [POWER_JACK_SMD_OVERPASTE_SUPER_BOMB_DIGITY]  83.06,69.34 0 top
J27  AMP FCI 10103594-0001LF  [USB-MICROB-PTH-MILL]  83.57,100.08 270 top
J28  [1X04_1MM_RA]  144.53,77.22 90 top
J29  ISP  [2X3_SMT_POSTS]  217.42,88.65 270 top
J30  POWER_JACKSUPER_BOMB_DIGITY  [POWER_JACK_SMD_OVERPASTE_SUPER_BOMB_DIGITY]  154.69,69.34 0 top
J31  AMP FCI 10103594-0001LF  [USB-MICROB-PTH-MILL]  155.19,100.08 270 top
J32  [1X04_1MM_RA]  216.15,77.22 90 top
J33  ISP  [2X3_SMT_POSTS]  289.05,88.65 270 top
J34  POWER_JACKSUPER_BOMB_DIGITY  [POWER_JACK_SMD_OVERPASTE_SUPER_BOMB_DIGITY]  226.31,69.34 0 top
J35  AMP FCI 10103594-0001LF  [USB-MICROB-PTH-MILL]  226.82,100.08 270 top
J36  [1X04_1MM_RA]  287.78,77.22 90 top
J37  ISP  [2X3_SMT_POSTS]  360.68,88.65 270 top
J38  POWER_JACKSUPER_BOMB_DIGITY  [POWER_JACK_SMD_OVERPASTE_SUPER_BOMB_DIGITY]  297.94,69.34 0 top
J39  AMP FCI 10103594-0001LF  [USB-MICROB-PTH-MILL]  298.45,100.08 270 top
J40  [1X04_1MM_RA]  359.41,77.22 90 top
J41  ISP  [2X3_SMT_POSTS]  74.17,142.49 270 top
J42  POWER_JACKSUPER_BOMB_DIGITY  [POWER_JACK_SMD_OVERPASTE_SUPER_BOMB_DIGITY]  11.43,123.19 0 top
J43  AMP FCI 10103594-0001LF  [USB-MICROB-PTH-MILL]  11.94,153.92 270 top
J44  [1X04_1MM_RA]  72.9,131.06 90 top
J45  ISP  [2X3_SMT_POSTS]  145.8,142.49 270 top
J46  POWER_JACKSUPER_BOMB_DIGITY  [POWER_JACK_SMD_OVERPASTE_SUPER_BOMB_DIGITY]  83.06,123.19 0 top
J47  AMP FCI 10103594-0001LF  [USB-MICROB-PTH-MILL]  83.57,153.92 270 top
J48  [1X04_1MM_RA]  144.53,131.06 90 top
J49  ISP  [2X3_SMT_POSTS]  217.42,142.49 270 top
J50  POWER_JACKSUPER_BOMB_DIGITY  [POWER_JACK_SMD_OVERPASTE_SUPER_BOMB_DIGITY]  154.69,123.19 0 top
J51  AMP FCI 10103594-0001LF  [USB-MICROB-PTH-MILL]  155.19,153.92 270 top
J52  [1X04_1MM_RA]  216.15,131.06 90 top
J53  ISP  [2X3_SMT_POSTS]  289.05,142.49 270 top
J54  POWER_JACKSUPER_BOMB_DIGITY  [POWER_JACK_SMD_OVERPASTE_SUPER_BOMB_DIGITY]  226.31,123.19 0 top